# Altium PCB PCB.PcbDoc (part 4 of 4)
Units mil, origin at the board's own origin, x right, y up, seen from the top; angles counter-clockwise.
Board outline 3543.31 x 3543.31 mil, 6 copper layers (Component Side, Top GND, Dummy Layer, Fast Signals, Bottom GND, Solder Side), stack 58.819 mil thick; 209 components, 240 nets, 1195 pads, 663 vias.
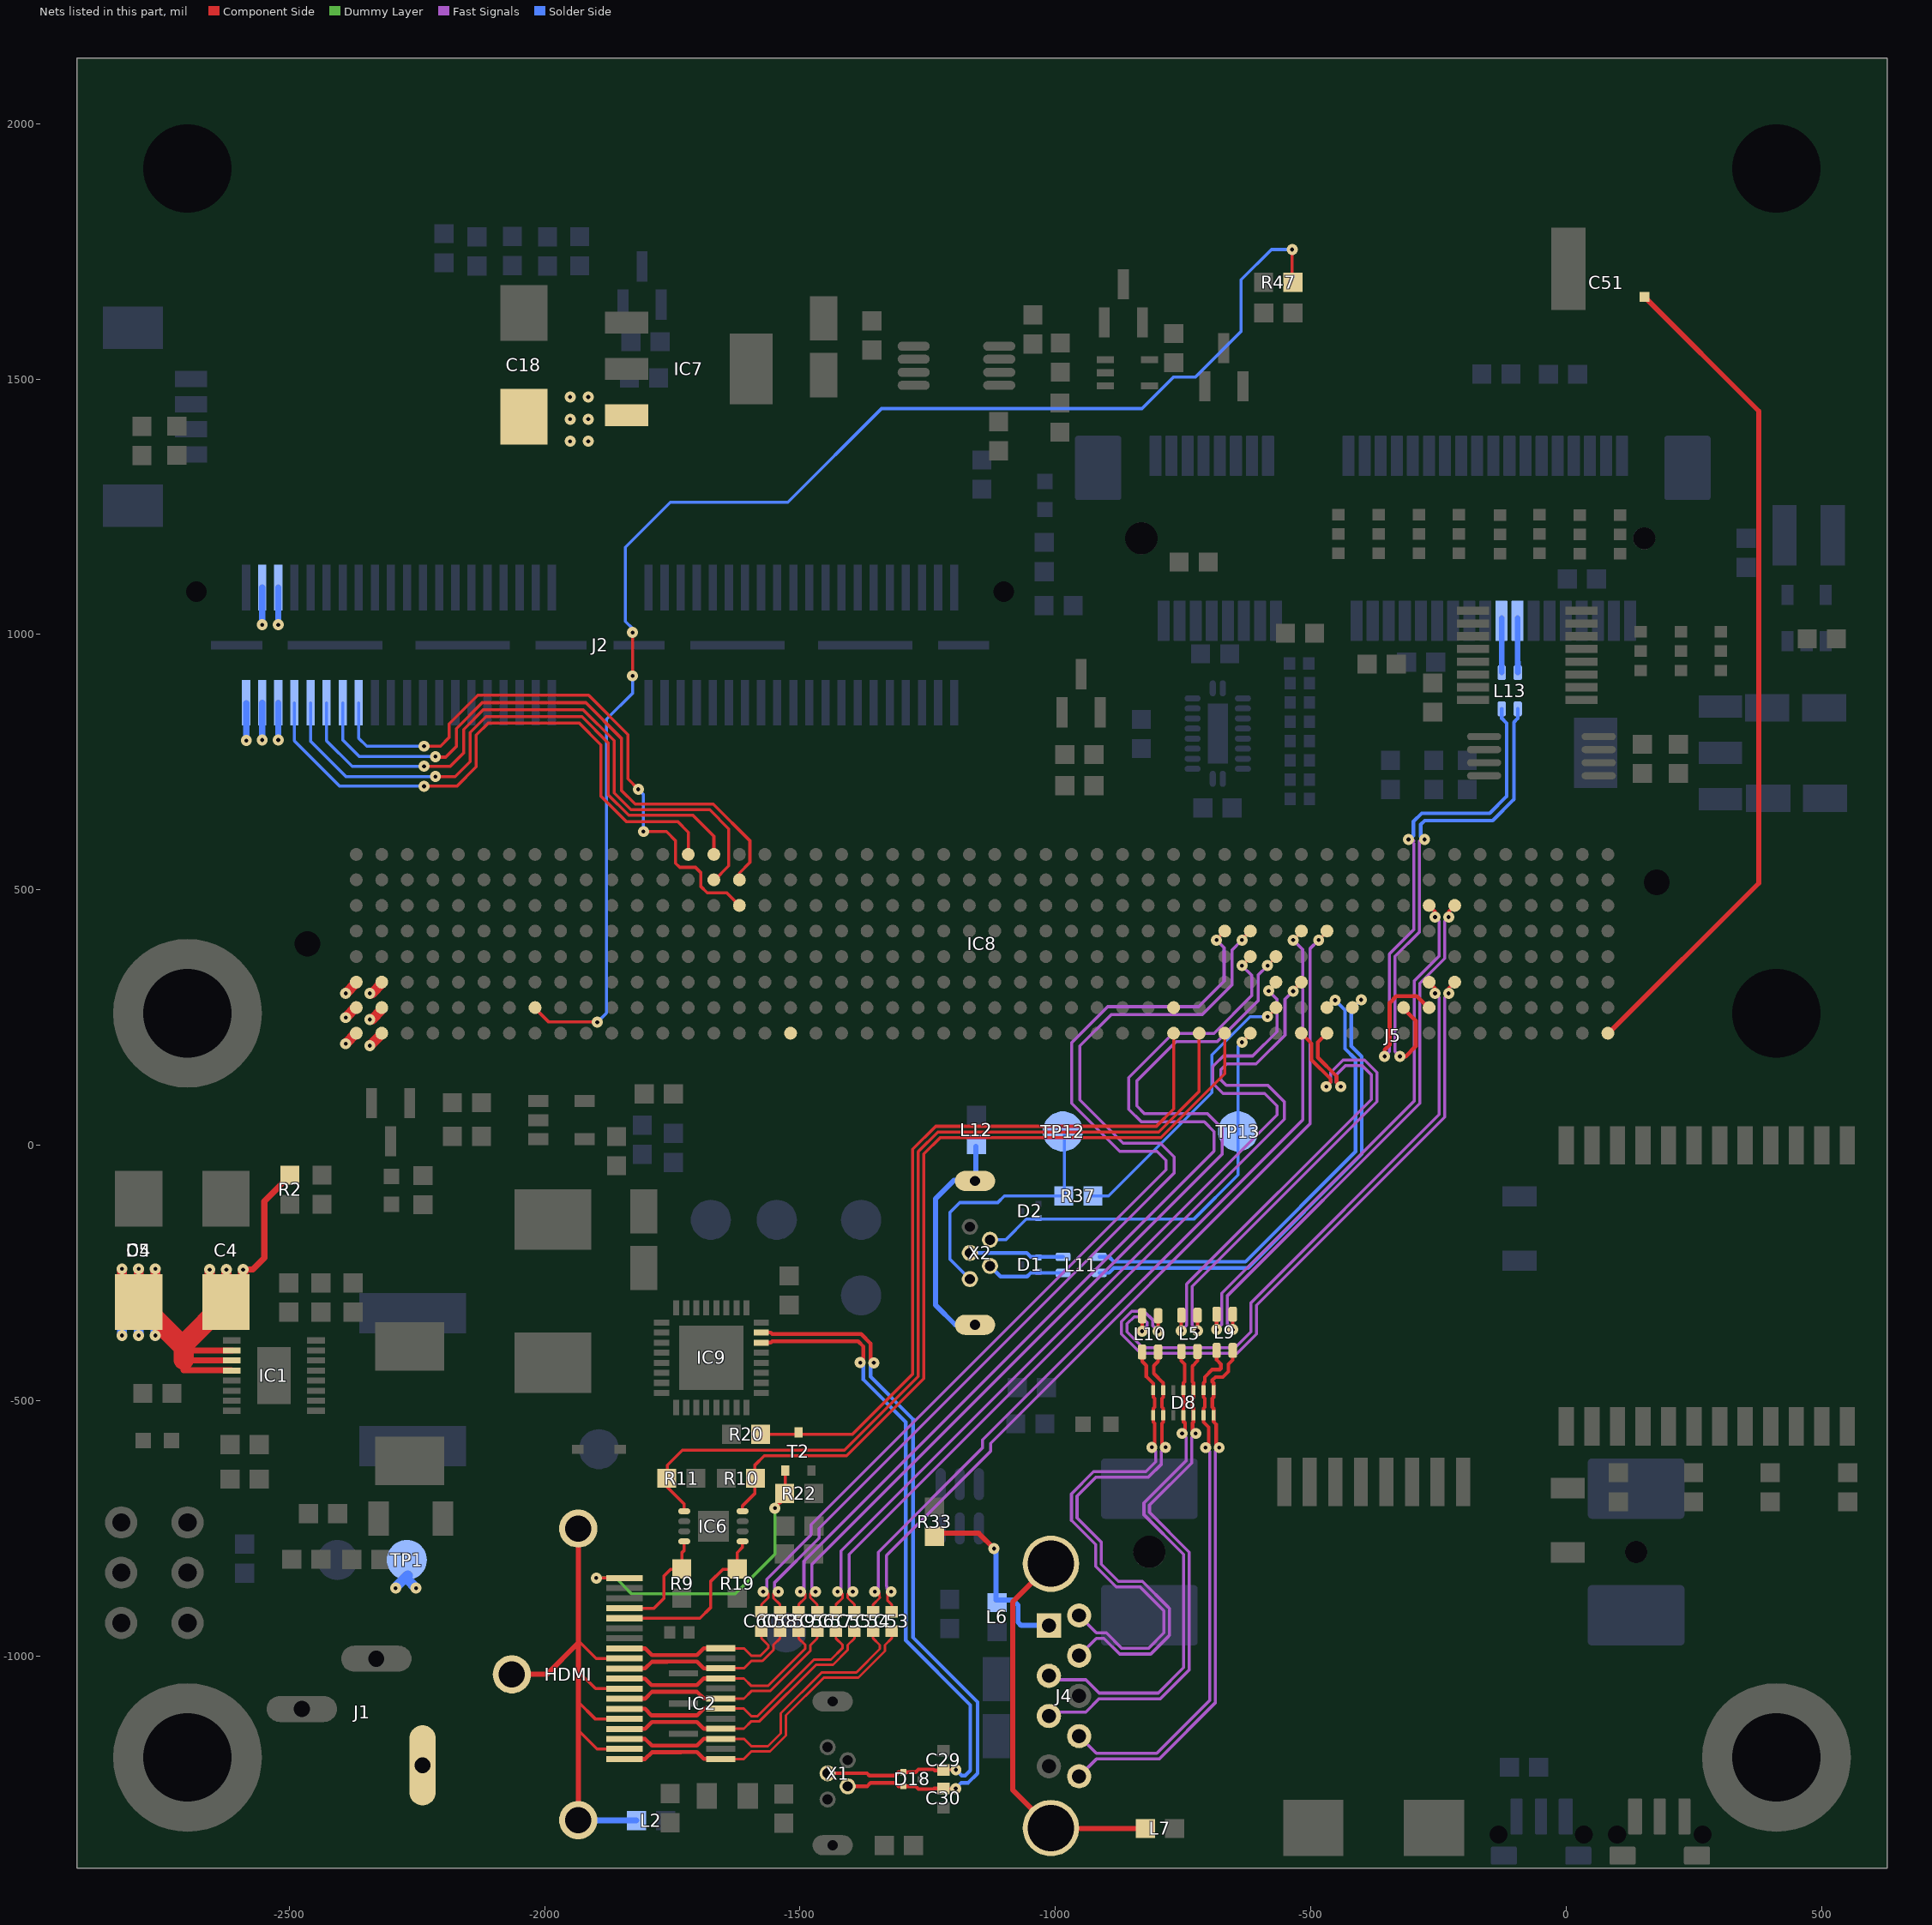
[diagram p8: the nets of this part, all layers, seen from the top]

## Via types
v1: diameter 21.65, hole 7.87, Component Side to Solder Side, tented both sides, 463 vias
v2: diameter 23.62, hole 9.84, Component Side to Solder Side, tented both sides, 102 vias
v3: diameter 21.65, hole 7.87, Component Side to Solder Side, 96 vias
v4: diameter 19.68, hole 7.87, Component Side to Solder Side, 1 vias
v5: diameter 23.62, hole 9.84, Component Side to Solder Side, 1 vias

## Nets (pads, with @x,y where several pads share a name; then routed paths per layer and width w, separated by ;. In a path a pad name is that pad's centre, name@x,y a point inside that pad or via, vN(x,y) a via of type N, cw(c..) or ccw(c..) an arc to the next point about the centre after c; other vN are vias at no path point) (continued)
SHIELD_HDMI: HDMI.2 HDMI.5 HDMI.8 HDMI.11 HDMI.S L2.2 | length 1258.7
  Component Side w6: -1934.09,-1144.69 -1897.05,-1181.73 HDMI.2@-1843.54,-1181.73 ; -1934.09,-1089.69 -1901.1,-1122.68 HDMI.5@-1843.54,-1122.68 ; -1934.09,-1029.69 -1900.16,-1063.62 HDMI.8@-1843.54,-1063.62 ; -1934.09,-969.69 -1899.21,-1004.57 HDMI.11@-1843.54,-1004.57
  Component Side w10: HDMI.S@-2064.02,-1035.67 -1995.7,-1035.67 -1934.09,-974.06 ; HDMI.S@-1934.09,-1321.1 -1934.09,-1144.69 -1934.09,-1089.69 -1934.09,-1029.69 -1934.09,-974.06 ; HDMI.S@-1934.09,-750.24 -1934.09,-969.69 -1934.09,-974.06
  Solder Side w11.81: HDMI.S@-1933.35,-1321.84 L2.2@-1820.64,-1321.84
SHIELD_USB: J4.Z1 L7.2 | length 763.1
  Component Side w10: J4.Z1@-1008.9,-1336.46 -1083.78,-1261.57 -1083.78,-894.01 J4.Z1@-1008.9,-819.13 ; J4.Z1@-1007.56,-1337.8 L7.2@-823.78,-1337.8
SHIELD_USB0: L12.2 X2.S | length 461.5
  Solder Side w10: X2.S@-1157.52,-351.38 -1196.06,-351.38 -1234.45,-312.99 -1234.45,-104.33 -1198.19,-68.07 -1155.71,-68.07 L12.2@-1155.71,-1.85
SPI2_CLK_1V8: IC8.H14 J2.73 | length 1162.5
  Component Side w6: v1(-2235.78,702.87) -2171.78,702.87 -2133.78,740.87 -2133.78,802.87 -2109.78,826.87 -1932.78,826.87 -1889.78,783.87 -1889.78,683.31 -1840.34,633.87 -1739.78,633.87 -1718.66,612.76 IC8.H14@-1718.66,569.49 IC8.H14@-1718.66,567.91
  Solder Side w6: J2.73@-2489.72,866.3 -2489.72,791.82 -2400.78,702.87 v1(-2235.78,702.87)
SPI2_CS0_1V8: IC8.G16 J2.67 | length 1207.1
  Component Side w6: v1(-2213.78,760.87) -2212.78,759.87 -2193.63,759.87 -2172.78,780.72 -2172.78,815.87 -2122.24,866.41 -1919.32,866.41 -1849.78,796.87 -1849.78,694.87 -1822.78,667.87 -1669.78,667.87 -1598.14,596.24 -1598.14,553.57 -1618.66,533.05 IC8.G16@-1618.66,519.49 IC8.G16@-1618.66,517.91
  Solder Side w6: J2.67@-2395.24,866.3 -2395.24,793.33 -2362.78,760.87 v1(-2213.78,760.87)
SPI2_CS1_1V8: IC8.F16 J2.65 | length 1186.1
  Component Side w6: v1@-2240.78,781.26 v1(-2235.78,781.26) -2203.87,781.26 -2186.78,798.35 -2186.78,824.86 -2130.76,880.87 -1913.78,880.87 -1836.78,803.87 -1836.78,717.19 v1(-1816.54,696.95) ; v3(-1806.55,614.16) -1761.55,614.16 -1743.55,596.16 -1743.55,552.16 -1735.55,544.16 -1704.55,544.16 -1694.55,534.16 -1694.55,507.16 -1681.55,494.16 -1643.33,494.16 IC8.F16@-1618.66,469.49
  Solder Side w6: J2.65@-2363.74,866.3 -2363.74,796.84 -2348.17,781.26 v1(-2235.78,781.26) ; v1(-1816.54,696.95) -1806.45,686.86 v3@-1806.45,616.26
SPI2_MISO_1V8: IC8.H15 J2.71 | length 1168.3
  Component Side w6: v1@-2215.78,721.87 v1(-2213.78,721.87) -2175.12,721.87 -2145.78,751.21 -2145.78,807.87 -2114.78,838.87 -1926.78,838.87 -1875.78,787.87 -1875.78,686.32 -1835.36,645.9 -1709.78,645.9 -1668.66,604.78 IC8.H15@-1668.66,569.49 IC8.H15@-1668.66,567.91
  Solder Side w6: J2.71@-2458.23,866.3 -2458.23,791.32 -2388.78,721.87 v1@-2215.78,721.87
SPI2_MOSI_1V8: IC8.G15 J2.69 | length 1225.3
  Component Side w6: v1@-2236.78,741.87 v1(-2235.78,741.87) -2184.78,741.87 -2158.47,768.18 -2158.47,813.86 -2119.46,852.87 -1924.78,852.87 -1863.78,791.87 -1863.78,689.87 -1830.8,656.9 -1676.8,656.9 -1639.43,619.53 -1639.43,547.14 IC8.G15@-1668.66,517.91
  Solder Side w6: J2.69@-2426.73,866.3 -2426.73,791.83 -2376.78,741.87 v1@-2236.78,741.87
TMDS_CEC: IC8.B33
TMDS_CLK_C_N: C60.2 HDMI.12 IC2.12 | length 343.4
  Component Side w5: IC2.12@-1655.13,-984.58 -1609.85,-984.58 -1595.16,-999.26 -1577.55,-999.26 -1562.34,-984.05 -1562.34,-978.32 -1575.55,-965.1 C60.2@-1575.55,-950.84
  Component Side w7.87: HDMI.12@-1843.54,-984.88 -1803.3,-984.88 -1790.05,-998.13 -1764.88,-998.13 -1764.58,-997.82 -1701.55,-997.82 -1688.3,-984.58 IC2.12@-1655.13,-984.58
TMDS_CLK_C_P: C58.2 HDMI.10 IC2.10 | length 359.9
  Component Side w5: IC2.10@-1655.13,-1023.95 -1609.85,-1023.95 -1595.16,-1009.26 -1573.41,-1009.26 -1552.34,-988.19 -1552.34,-978.32 -1539.12,-965.1 C58.2@-1539.12,-950.84
  Component Side w7.87: HDMI.10@-1843.54,-1024.25 -1803.3,-1024.25 -1790.05,-1011 -1759.55,-1011 -1759.24,-1010.7 -1701.55,-1010.7 -1688.3,-1023.95 IC2.10@-1655.13,-1023.95
TMDS_CLK_N: C60.1 IC8.E35 | length 2030.8
  Component Side w5: C60.1@-1575.55,-913.05 -1575.55,-899.1 -1562.34,-885.89 -1562.34,-877.84 -1566.34,-873.84 v3(-1572.16,-873.84)
  Component Side w6: v1@-684.82,403.33 IC8.E35@-668.66,419.49
  Fast Signals w5.91: v3(-1572.16,-873.84) -1565.21,-866.89 -1565.21,-849.21 -1478.55,-762.55 -1478.55,-742.84 -859.99,-124.28
  Fast Signals w5.98: -859.99,-124.28 -783.46,-47.75 -783.46,-29.42 -801.28,-11.6 -874.35,-11.6 -968.05,82.1 -968.05,200.99 -897.67,271.37 -719.63,271.37 -669.85,321.15 -669.85,386.19
  Fast Signals w6: v1(-684.82,401.76) -669.55,386.49 -669.85,386.19
TMDS_CLK_P: C58.1 IC8.E36 | length 2032.6
  Component Side w5: v3(-1542.51,-873.84) -1548.34,-873.84 -1552.34,-877.84 -1552.34,-885.89 -1539.12,-899.1 C58.1@-1539.12,-913.05
  Component Side w6: v1@-634.82,403.33 IC8.E36@-618.66,419.49
  Fast Signals w5.91: v3(-1542.51,-873.84) -1549.46,-866.89 -1549.46,-855.73 -1462.8,-769.07 -1462.8,-749.37 -844.22,-130.78
  Fast Signals w5.98: -844.16,-130.84 -767.63,-54.31 -767.63,-22.86 -794.72,4.23 -867.79,4.23 -952.23,88.66 -952.23,194.43 -891.12,255.54 -713.07,255.54 -654.02,314.6 -654.02,381.96
  Fast Signals w6: -654.02,381.96 -654.32,382.26 v1(-634.82,401.76)
TMDS_D0_C_N: C59.2 HDMI.9 IC2.9 | length 440.9
  Component Side w5: IC2.9@-1655.13,-1043.63 -1609.85,-1043.63 -1595.16,-1058.32 -1562.95,-1058.32 -1489.48,-984.84 -1489.48,-978.32 -1502.69,-965.1 C59.2@-1502.69,-950.84
  Component Side w7.87: HDMI.9@-1843.54,-1043.94 -1803.3,-1043.94 -1790.36,-1056.88 -1701.55,-1056.88 -1688.3,-1043.63 IC2.9@-1655.13,-1043.63
TMDS_D0_C_P: C56.2 HDMI.7 IC2.7 | length 457.7
  Component Side w5: IC2.7@-1655.13,-1083 -1609.85,-1083 -1595.16,-1068.32 -1558.81,-1068.32 -1479.48,-988.99 -1479.48,-978.32 -1466.27,-965.1 C56.2@-1466.27,-950.84
  Component Side w7.87: HDMI.7@-1843.54,-1083.31 -1803.3,-1083.31 -1789.74,-1069.75 -1701.55,-1069.75 -1688.3,-1083 IC2.7@-1655.13,-1083
TMDS_D0_N: C59.1 IC8.D36 | length 1921.8
  Component Side w5: C59.1@-1502.69,-913.05 -1502.69,-899.1 -1489.48,-885.89 v3@-1489.48,-877.84
  Component Side w6: v1(-634.82,351.76) -618.66,367.91 IC8.D36@-618.66,369.49
  Fast Signals w5.91: v3(-1499.31,-873.84) -1492.35,-866.89 -1492.35,-813.93 -689.75,-11.33 -689.75,27.04 -708.57,45.86 -831.95,45.86 -856.5,70.4 -856.5,132.76 -770.35,218.9 -689.85,218.9 -616.12,292.64 -616.12,333.05 v1(-634.82,351.76)
TMDS_D0_P: C56.1 IC8.D37 | length 1920.2
  Component Side w5: v3@-1479.48,-877.84 -1479.48,-885.89 -1466.27,-899.1 C56.1@-1466.27,-913.05 ; v1(-584.82,351.76) IC8.D37@-567.78,368.8
  Fast Signals w5.91: v3(-1469.65,-873.84) -1476.61,-866.89 -1476.61,-820.45 -674.01,-17.85 -674.01,33.56 -702.05,61.61 -825.43,61.61 -840.75,76.92 -840.75,126.23 -763.83,203.16 -683.33,203.16 -603.52,282.96 -603.52,333.05 v1(-584.82,351.76)
TMDS_D1_C_N: C57.2 HDMI.6 IC2.6 | length 537.6
  Component Side w5: IC2.6@-1655.13,-1102.69 -1609.85,-1102.69 -1595.16,-1117.37 -1583.22,-1117.37 -1472.69,-1006.84 -1439.62,-1006.84 -1416.62,-983.84 -1416.62,-978.32 -1429.84,-965.1 C57.2@-1429.84,-950.84
  Component Side w7.87: HDMI.6@-1843.54,-1102.99 -1803.3,-1102.99 -1790.36,-1115.93 -1701.55,-1115.93 -1688.3,-1102.69 IC2.6@-1655.13,-1102.69
TMDS_D1_C_P: C55.2 HDMI.4 IC2.4 | length 555
  Component Side w5: IC2.4@-1655.13,-1142.06 -1609.85,-1142.06 -1595.16,-1127.37 -1579.08,-1127.37 -1468.55,-1016.84 -1435.48,-1016.84 -1406.62,-987.99 -1406.62,-978.32 -1393.41,-965.1 C55.2@-1393.41,-950.84
  Component Side w7.87: HDMI.4@-1843.54,-1142.36 -1803.3,-1142.36 -1789.74,-1128.81 -1701.55,-1128.81 -1688.3,-1142.06 IC2.4@-1655.13,-1142.06 IC2.4@-1654.72,-1142.47
TMDS_D1_N: C57.1 IC8.C37 | length 1788.8
  Component Side w5: C57.1@-1429.84,-913.05 -1429.84,-899.1 -1416.62,-885.89 v3@-1416.62,-877.84
  Component Side w5.91: v1(-582.55,302.16) -568.66,316.05 IC8.C37@-568.66,319.49
  Fast Signals w5.91: v3(-1426.45,-873.84) -1419.5,-866.89 -1419.5,-794.07 -566.12,59.31 -566.12,77 -590.7,101.58 -672.15,101.58 -688.55,117.97 -692.34,121.77 -692.34,153.9 -688.55,157.69 -671.37,174.87 -613.99,174.87 -566.56,222.3 -566.56,243.57 -566.12,244.01 -566.12,285.72 v1(-582.55,302.16)
TMDS_D1_P: C55.1 IC8.C38 | length 1798
  Component Side w5: v3(-1396.8,-873.84) -1402.62,-873.84 -1406.62,-877.84 -1406.62,-885.89 -1393.41,-899.1 C55.1@-1393.41,-913.05
  Component Side w6: v1@-534.82,303.33 IC8.C38@-518.66,319.49
  Fast Signals w5.91: v3(-1396.8,-873.84) -1403.75,-866.89 -1403.75,-800.59 -551.94,51.21
  Fast Signals w5.98: -551.94,51.21 -551.94,85.15 -584.16,117.37 -665.61,117.37 -676.56,128.31 -676.56,147.36 -664.83,159.08 -607.45,159.08 -550.77,215.76 -550.77,285.8 v1(-534.82,301.76)
TMDS_D2_C_N: C54.2 HDMI.3 IC2.3 | length 659.4
  Component Side w5: IC2.3@-1655.13,-1161.74 -1609.85,-1161.74 -1595.16,-1176.43 -1562.95,-1176.43 -1537.55,-1151.03 -1537.55,-1111.7 -1457.69,-1031.84 -1389.77,-1031.84 -1343.77,-985.84 -1343.77,-978.32 -1356.98,-965.1 C54.2@-1356.98,-950.84
  Component Side w7.87: HDMI.3@-1843.54,-1162.05 -1803.3,-1162.05 -1790.05,-1175.3 -1738.19,-1175.3 -1737.88,-1174.99 -1701.55,-1174.99 -1688.3,-1161.74 IC2.3@-1655.13,-1161.74
TMDS_D2_C_P: C53.2 HDMI.1 IC2.1 | length 676
  Component Side w5: IC2.1@-1655.13,-1201.11 -1609.85,-1201.11 -1595.16,-1186.43 -1558.81,-1186.43 -1527.55,-1155.17 -1527.55,-1115.84 -1453.55,-1041.84 -1385.62,-1041.84 -1333.77,-989.99 -1333.77,-978.32 -1320.55,-965.1 C53.2@-1320.55,-950.84
  Component Side w7.87: HDMI.1@-1843.54,-1201.42 -1803.3,-1201.42 -1790.05,-1188.17 -1732.86,-1188.17 -1732.55,-1187.86 -1701.55,-1187.86 -1688.3,-1201.11 IC2.1@-1655.13,-1201.11
TMDS_D2_N: C54.1 IC8.E38 | length 1706.5
  Component Side w5: C54.1@-1356.98,-913.05 -1356.98,-899.1 -1343.77,-885.89 -1343.77,-884.4 -1344.72,-883.44 -1344.72,-876.89 -1347.77,-873.84 v3(-1353.59,-873.84) ; v1(-534.82,401.76) IC8.E38@-517.78,418.8
  Fast Signals w5.91: v3(-1353.59,-873.84) -1346.64,-866.89 -1346.64,-796.38 -1340.92,-790.66 -1142.55,-592.29 -1142.55,-576.57 -516.12,49.86 -516.12,383.05 v1(-534.82,401.76)
TMDS_D2_P: C53.1 IC8.E39 | length 1707.1
  Component Side w5: v3(-1321.55,-873.84) -1323.94,-873.84 -1329.77,-873.84 -1329.88,-873.96 -1329.88,-877.29 -1328.92,-878.25 -1328.92,-890.73 -1320.55,-899.1 C53.1@-1320.55,-913.05 ; v1(-484.82,401.76) -468.66,417.91 IC8.E39@-468.66,419.49
  Fast Signals w5.91: v3(-1321.55,-873.84) -1323.94,-873.84 -1329.97,-867.81 -1329.97,-864.06 -1330.89,-863.14 -1330.89,-802.9 -1126.8,-598.81 -1126.8,-583.1 -501.94,41.76 -501.94,384.63 v1(-484.82,401.76)
TMDS_HPD: IC8.A33 R20.1 T2.3 | length 1486.4
  Component Side w6: R20.1@-1586.65,-565.84 -1578.05,-565.84 -1397.55,-565.84 -1279.55,-447.84 -1279.55,-7.84 -1234.5,37.2 -802.5,37.2 -768.66,71.05 IC8.A33@-768.66,217.91
TMDS_HPD_B: HDMI.19 R22.2 T2.1 | length 614.1
  Component Side w6: v3(-1898.79,-847.09) HDMI.19@-1843.54,-847.09 ; v3(-1549.27,-710.34) -1529.19,-690.26 -1529.19,-681.4 -1529.19,-643.48 T2.1@-1529.36,-643.31
  Dummy Layer w6: v3(-1898.79,-847.09) -1860.55,-847.09 -1829.79,-877.84 -1626.55,-877.84 -1549.05,-800.34 v3@-1549.05,-711.54
TMDS_SCL_1V8: IC6.8 IC8.A35 R10.1 | length 1674.1
  Component Side w5: IC8.A35@-668.66,217.91 IC8.A35@-667.78,218.8
  Component Side w6: IC6.8@-1612.46,-716.32 -1612.46,-705.59 -1588.15,-681.28 -1588.15,-651.84 -1588.15,-625.83 -1570.16,-607.84 -1408.66,-607.84 -1257.71,-456.89 -1257.71,-16.89 -1225.58,15.24 -793.58,15.24 -668.66,140.16 IC8.A35@-668.66,217.91
TMDS_SCL_5V: HDMI.15 IC6.5 R19.1 | length 349.5
  Component Side w5.94: HDMI.15@-1843.54,-925.83 -1695.76,-925.83 -1675.21,-905.28 -1675.21,-854.01 -1651.67,-830.47 -1623.07,-830.47 -1623.07,-797.36 -1612.46,-786.76 IC6.5@-1612.46,-775.37
TMDS_SDA_1V8: IC6.1 IC8.A34 R11.1 | length 1818.2
  Component Side w6: IC6.1@-1726.64,-716.32 -1726.64,-702.61 -1759.84,-669.41 -1759.84,-651.84 -1759.84,-626.24 -1730.52,-596.92 -1413.18,-596.92 -1268.63,-452.37 -1268.63,-12.37 -1230.11,26.16 -798.11,26.16 -718.66,105.6 IC8.A34@-718.66,217.91
TMDS_SDA_5V: HDMI.16 IC6.4 R9.1 | length 226.4
  Component Side w5.94: HDMI.16@-1843.54,-906.14 -1785.61,-906.14 -1766,-886.54 -1766,-842.5 -1753.97,-830.47 -1731.5,-830.47 -1731.45,-830.42 -1731.45,-797.74 -1726.55,-792.84 -1726.55,-775.46 IC6.4@-1726.64,-775.37
USB0_D_N: IC8.B40 L11.2 | length 929
  Solder Side w7.09: L11.2@-914.35,-249.87 -895.3,-249.87 -885.59,-240.17 -623.23,-240.17 -400.55,-17.49 -400.55,173.6 -421.02,194.07 -421.02,265.55 v1(-401.62,284.95)
USB0_D_P: IC8.B39 L11.1 | length 908.1
  Solder Side w7.09: L11.1@-914.35,-218.38 -895.3,-218.38 -885.59,-228.08 -628.24,-228.08 -412.64,-12.49 -412.64,168.59 -433.11,189.06 -433.11,264.67 v1(-452.5,284.07)
USB0_DP_N: D1.2 L11.3 X2.2 | length 155.5
  Solder Side w7.09: X2.2@-1127.37,-235.44 X2.2@-1128.15,-236.22 -1107.51,-256.86 -1055.58,-256.86 -1048.59,-249.87 L11.3@-985.21,-249.87
USB0_DP_P: D1.1 L11.4 X2.3 | length 185.5
  Solder Side w7.09: X2.3@-1167.52,-210.63 -1056.42,-210.63 -1048.68,-218.38 L11.4@-985.21,-218.38
USB0_ID: D2.2 IC8.A36 TP13.1 X2.4 | length 831
  Component Side w5: v1(-634.82,201.76) IC8.A36@-617.78,218.8
  Component Side w6: X2.4@-1128.15,-185.04 X2.4@-1128.15,-179.13
  Solder Side w6: X2.4@-1128.15,-185.04 -1097.52,-185.04 -1057.09,-144.61 -1043.54,-144.61 -1026.48,-144.61 ; -1026.28,-144.81 -729.52,-144.81 -642.55,-57.84 TP13.1@-642.55,27.16 -642.55,194.02 v1(-634.82,201.76)
USB0_VBUS: IC8.B37 R37.2 | length 555.7
  Component Side w5: v1(-584.82,251.76) IC8.B37@-567.78,268.8
  Solder Side w6: R37.2@-927.78,-99.13 -895.83,-99.13 -693.78,102.93 -693.78,176.87 -618.9,251.76 v1(-584.82,251.76)
USB1_D_L_N: D8.11 J4.2 L5.3 | length 1002.6
  Component Side w6.89: L5.3@-753.53,-403.56 -753.53,-422.1 -747.09,-428.54 -747.09,-462.64 -749.55,-465.1 D8.11@-749.55,-479.24 -749.55,-493.1 -747.09,-495.56 -747.09,-512.64 -749.55,-515.1 D8.11@-749.55,-528.45 -749.55,-542.1 -747.43,-542.1 -746.32,-543.21 -746.32,-558.18 v1(-752.26,-564.13)
  Fast Signals w5.98: J4.2@-1012.83,-1038.43 -1005,-1046.26 -940.72,-1046.26 -914.67,-1072.3 -798.92,-1072.3 -749.12,-1022.5 -749.12,-800.86 -826.87,-723.11 -826.87,-699.84 -744.43,-617.4 -744.43,-571.96 v1(-752.26,-564.13)
  Fast Signals w7.99: v1@-755.77,-567.63 v1(-752.26,-564.13)
USB1_D_L_P: D8.12 J4.3 L5.4 | length 1015.9
  Component Side w6.89: v1(-725.61,-564.13) -731.56,-558.18 -731.56,-543.21 -730.44,-542.1 -729.87,-542.1 D8.12@-729.87,-528.45 -729.87,-515.1 -732.33,-512.64 -732.33,-495.56 -729.87,-493.1 D8.12@-729.87,-479.24 -729.87,-465.1 -732.33,-462.64 -732.33,-432.4 -722.03,-422.1 L5.4@-722.03,-403.56
  Fast Signals w5.98: J4.3@-1012.83,-1117.17 -1005,-1109.33 -940.72,-1109.33 -914.67,-1083.29 -794.37,-1083.29 -738.14,-1027.05 -738.14,-796.31 -815.89,-718.57 -815.89,-704.39 -733.44,-621.95 -733.44,-571.96 v1(-725.61,-564.13)
USB1_D_N: IC8.A39 L5.2 | length 925.5
  Component Side w6.89: v1(-753.53,-362.87) L5.2@-753.53,-332.69
  Component Side w7.09: IC8.A39@-468.66,219.49 -486.46,201.68 -486.46,171.85 -449.77,135.16 -449.77,122.87 v1(-441.78,114.87)
  Fast Signals w5.98: v1(-753.53,-362.87) -743.27,-352.62 -743.27,-271.74 -742.27,-270.74 -381.7,89.83 -381.7,137.92 -399.55,155.78 -432.47,155.78 -450.33,137.92 -450.33,123.42 v1(-441.78,114.87)
USB1_D_P: IC8.A38 L5.1 | length 962.9
  Component Side w6.89: v1(-722.03,-362.87) L5.1@-722.03,-332.69
  Component Side w7.09: IC8.A38@-518.66,219.49 -498.55,199.38 -498.55,166.85 -461.86,130.16 -461.86,122.87 v1(-469.86,114.87)
  Fast Signals w5.98: v1(-722.03,-362.87) -732.29,-352.62 -732.29,-276.29 -373.93,82.07 -370.72,85.28 -370.72,142.47 -373.93,145.69 -395,166.76 -437.02,166.76 -461.31,142.47 -461.31,123.42 v1(-469.86,114.87)
USB2_D_N: IC8.B43 L13.2 | length 1080.5
  Component Side w8: v1(-355.78,173.87) -355.78,186.87 -345.78,196.87 -345.78,278.87 -332.78,291.87 -292.62,291.87 IC8.B43@-268.66,267.91
  Fast Signals w5.98: v1(-355.78,173.87) -346.27,183.38 -346.27,374.47 -298.27,422.47 -298.27,590.54 v1@-306.61,598.87
  Fast Signals w8: v1@-306.61,598.87 -302.78,598.87 v1@-299.78,595.87
  Solder Side w7.09: v1(-309.05,598.82) -306.66,598.82 -299.32,606.16 -299.32,633.75 -283.07,650 -150,650 -116.82,683.18 -116.82,826.19 -126.53,835.9 L13.2@-126.53,854.44
USB2_D_P: IC8.B42 L13.1 | length 992
  Component Side w8: v1(-325.78,173.87) -314.78,173.87 -294.78,193.87 -294.78,244.03 IC8.B42@-318.66,267.91
  Fast Signals w5.98: v1(-325.78,173.87) -335.29,183.38 -335.29,369.92 -287.29,417.92 -287.29,595.37 v1@-283.56,599.09
  Fast Signals w8: v1@-326.78,172.87 v1(-325.78,173.87)
  Solder Side w7.09: v1(-277.56,598.82) -279.9,598.82 -285.15,604.07 -285.15,627.88 -277.2,635.83 -144.13,635.83 -102.65,677.31 -102.65,828.28 -95.03,835.9 L13.1@-95.03,854.44
USB2_DL_N: J5.36 L13.3 | length 107.2
  Solder Side w11: J5.36@-126.57,1032.48 -126.57,986.9 -126.53,986.85 L13.3@-126.53,925.31
USB2_DL_P: J5.38 L13.4 | length 107.2
  Solder Side w11: J5.38@-95.08,1032.48 -95.08,945.94 -95.03,945.9 L13.4@-95.03,925.31
USB3_RX_L_N: D8.14 J4.5 L9.4 | length 1051.9
  Component Side w6.89: v1(-679.55,-591.84) -685.5,-585.9 -685.5,-545.91 -690.5,-540.91 D8.14@-690.5,-528.45 -690.5,-515.1 -692.96,-512.64 -692.96,-495.56 -690.5,-493.1 D8.14@-690.5,-479.24 -690.5,-465.1 -692.96,-462.64 -692.96,-459.84 -686.96,-453.84 -672.28,-453.84 -661.4,-442.96 -661.4,-428.47 -653.03,-420.1 L9.4@-653.03,-401.56
  Fast Signals w5.98: J4.5@-953.78,-1235.28 -919.9,-1201.4 -797.22,-1201.4 -687.39,-1091.56 -687.39,-599.68 v1(-679.55,-591.84)
USB3_RX_L_P: D8.13 J4.6 L9.3 | length 1035.7